# Altium PCB GN-1866-A-V2.PCBDOC (part 3 of 5)
Units mil, origin at the board's own origin, x right, y up, seen from the top; angles counter-clockwise.
Board outline 2475 x 2671.81 mil, 6 copper layers (TOP, ART02, ART03, ART04, ART05, BOTTOM), stack 47.2 mil thick; 347 components, 311 nets, 1697 pads, 1562 vias.
Unrouted connection lines stored in the file: 4.
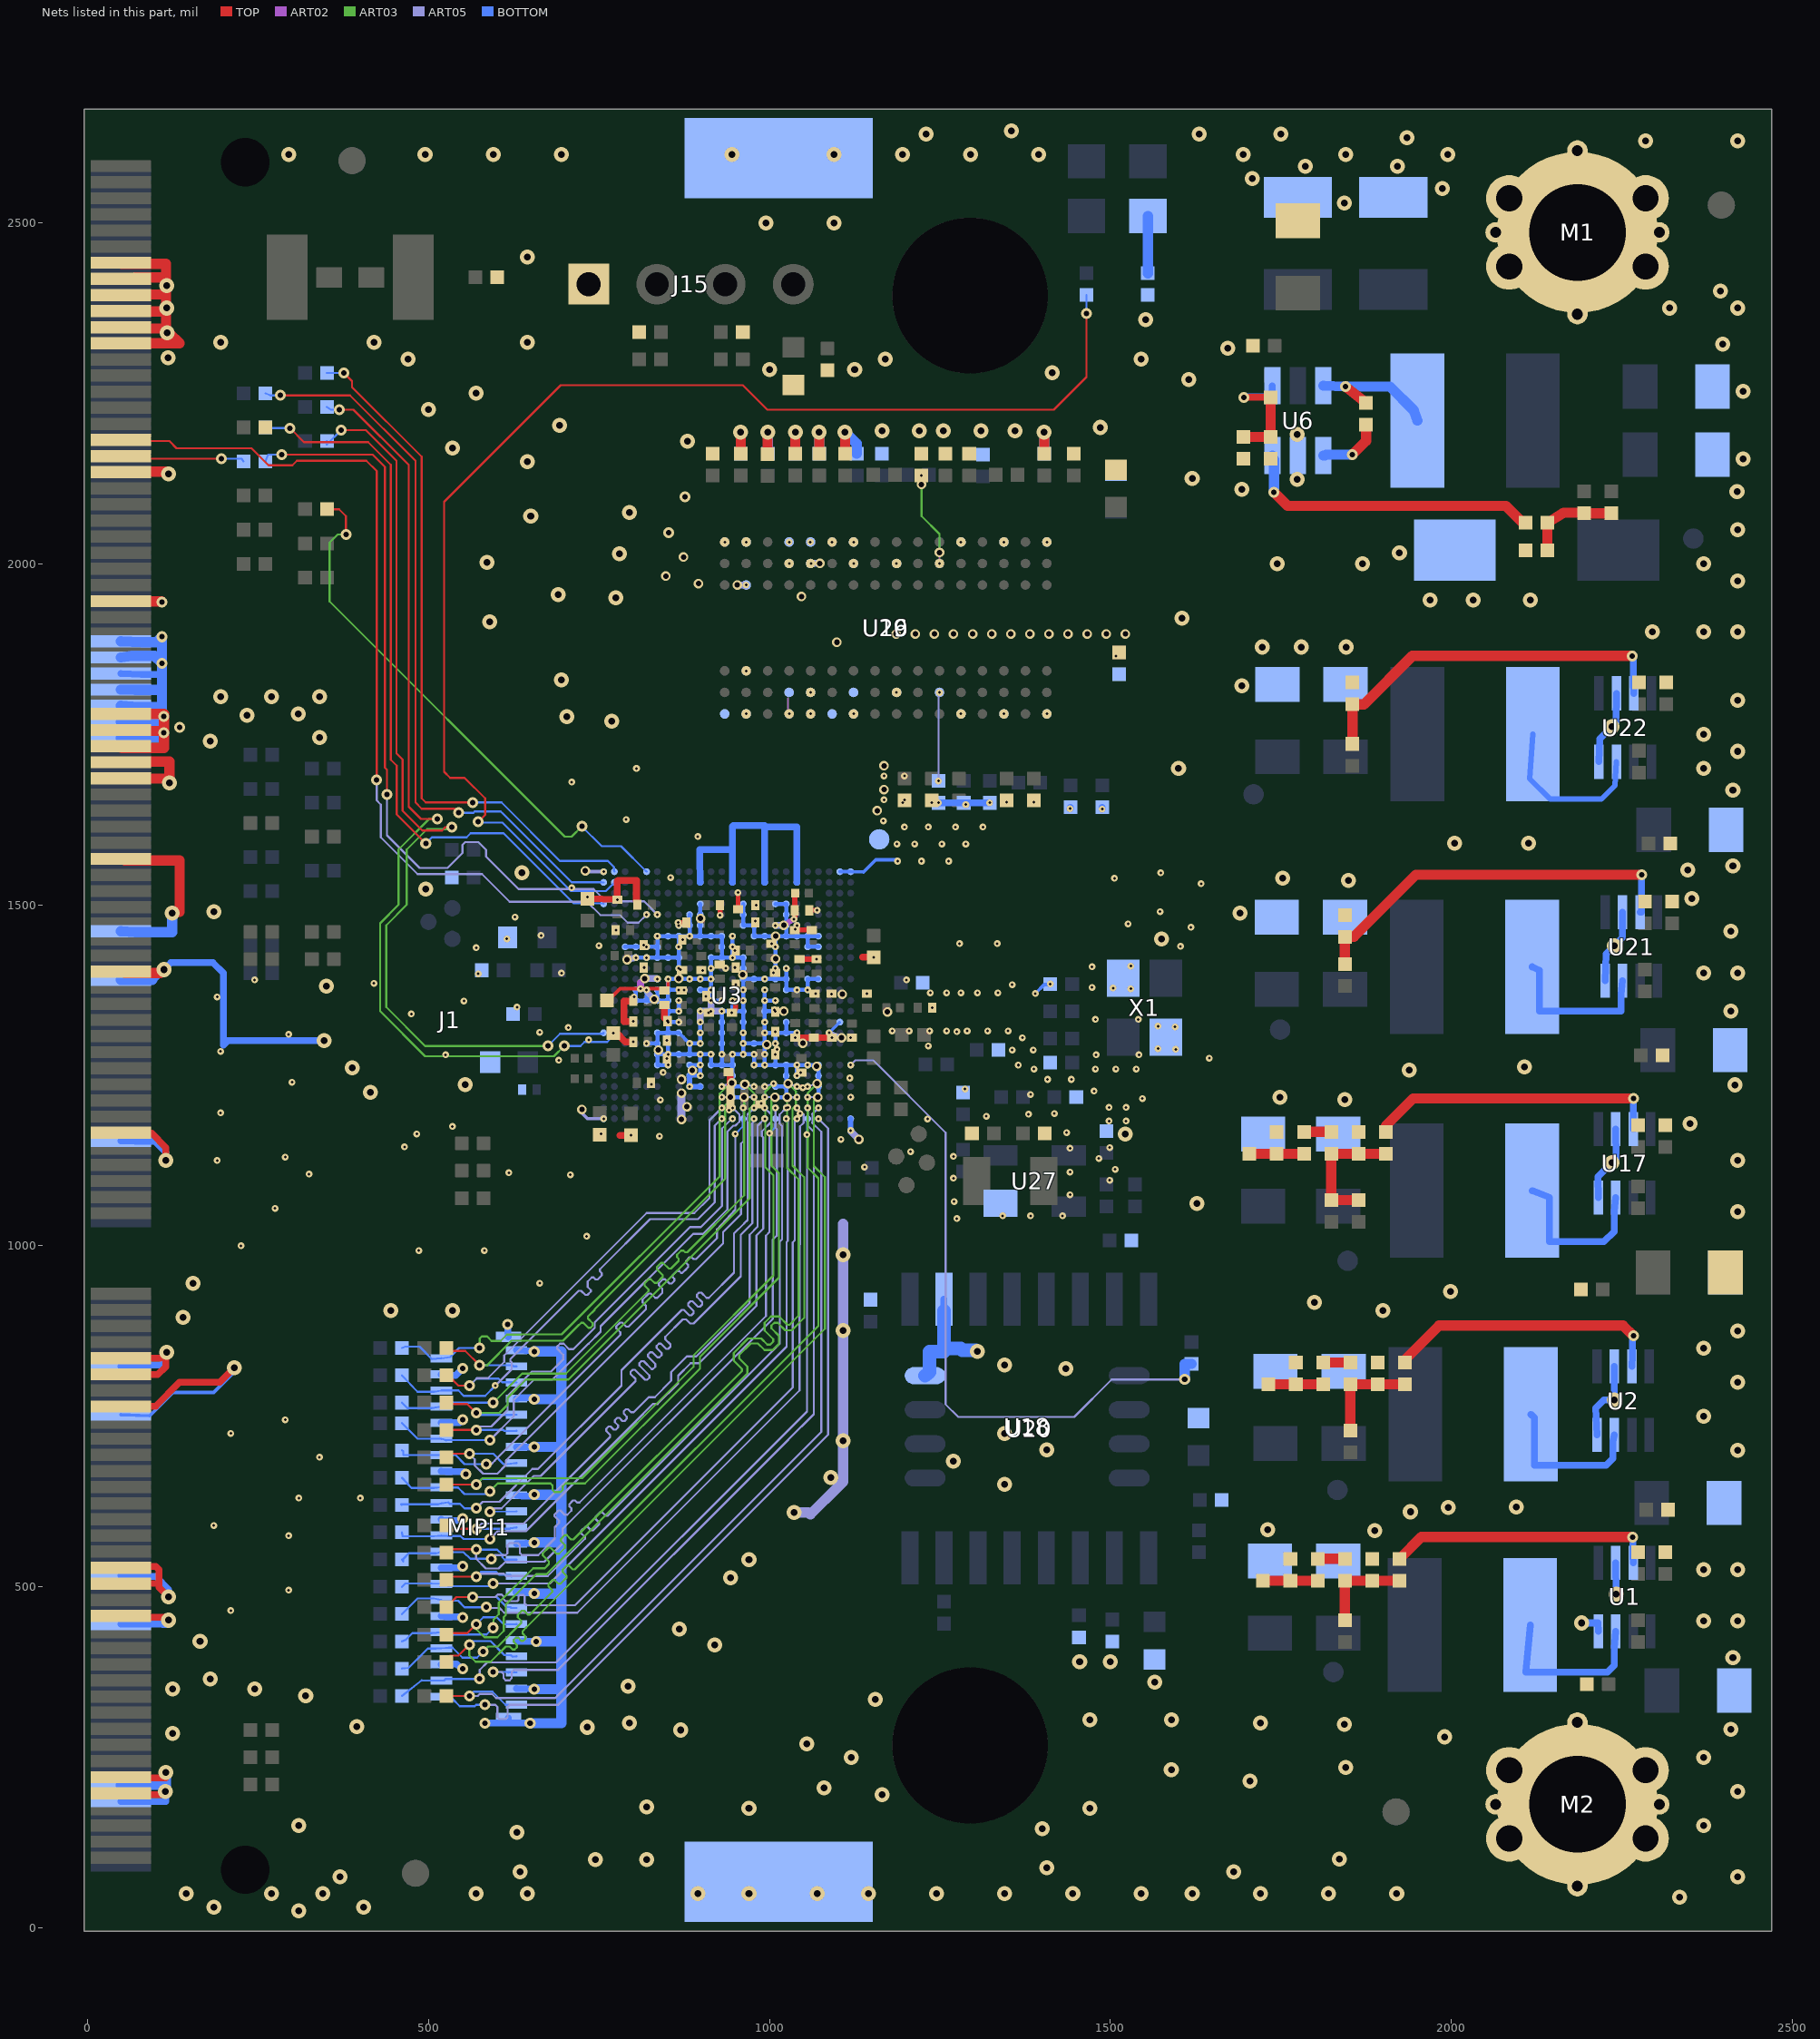
[diagram p7: the nets of this part, all layers, seen from the top]

## Via types
v1: diameter 10, hole 4, ART05 to BOTTOM, 456 vias
v2: diameter 22, hole 10, TOP to BOTTOM, 315 vias
v3: diameter 10, hole 4, TOP to ART02, 297 vias
v4: diameter 16, hole 8, TOP to BOTTOM, 255 vias
v5: diameter 14, hole 8, ART02 to ART05, 238 vias
v6: diameter 10, hole 4, ART02 to ART05, 1 vias

## Nets (pads, with @x,y where several pads share a name; then routed paths per layer and width w, separated by ;. In a path a pad name is that pad's centre, name@x,y a point inside that pad or via, vN(x,y) a via of type N, cw(c..) or ccw(c..) an arc to the next point about the centre after c; other vN are vias at no path point) (continued)
GND: C1.2 C2.2 C3.2 C4.2 C5.2 C6.2 C7.2 C8.2 C9.2 C10.2 C12.2 C13.2 C14.2 C15.2 C16.2 C17.2 C18.2 C19.2 C20.2 C21.1 C22.2 C23.2 C24.2 C25.2 C26.2 C27.2 C28.1 C29.2 C30.2 C31.2 C32.2 C33.2 C34.2 C35.2 C36.2 C37.2 C38.2 C39.2 C40.2 C41.2 C42.2 C43.2 C44.2 C45.2 C46.2 C47.2 C48.2 C49.2 C50.2 C51.1 C55.2 C57.2 C58.2 C59.2 C66.2 C67.2 C68.2 C69.2 C70.2 C71.2 C72.2 C74.2 C75.2 C76.2 C78.2 C79.2 C82.2 C104.2 C137.2 C138.2 C139.2 C144.2 C145.2 C146.2 C147.2 C148.2 C149.2 C150.2 C151.2 C153.2 C154.2 C155.2 C156.2 C157.2 C158.2 C159.2 C160.2 C161.2 C162.2 C163.2 C164.2 C165.2 C166.2 C167.2 C168.2 C169.2 C170.2 C171.2 C174.2 C175.2 C183.2 C184.2 C197.2 C198.2 C199.2 C201.2 C202.2 C212.2 C219.2 C220.2 C229.2 C231.2 C279.2 C306.2 C307.2 C308.2 C309.2 C310.2 C311.2 C312.2 C313.2 C314.2 C326.2 C333.2 C340.2 C341.2 C343.2 C344.2 C345.2 C346.2 C347.2 C348.2 C349.2 C350.2 C351.2 C448.2 C480.2 J1.9 J1.10 J1.11 J1.12 J1.31 J1.32 J1.36 J1.37 J1.38 J1.57 J1.58 J1.62 J1.63 J1.64 J1.83 J1.84 J1.103 J1.104 J1.109 J1.118 J1.128 J1.130 J1.132 J1.133 J1.134 J1.135 J1.136 J1.137 J1.139 J1.141 J1.143 J1.145 J1.150 J1.166 J1.182 J1.184 J1.186 J1.188 J1.190 J1.192 J1.207 J1.208 J15.1 M1.1 M1.2 M1.3 M1.4 M1.5 M1.6 M1.7 M1.8 M1.9 M2.1 M2.2 M2.3 M2.4 M2.5 M2.6 M2.7 M2.8 M2.9 MIPI1.3 MIPI1.6 MIPI1.9 MIPI1.12 MIPI1.15 MIPI1.18 MIPI1.21 MIPI1.24 MIPI1.27 MIPI1.30 MIPI1.33 MIPI1.36 MIPI1.39 MIPI1.42 MIPI1.45 MIPI1.46 MIPI1.47 R1.2 R5.1 R6.1 R8.1 R9.1 R13.2 R38.2 R47.2 R49.2 R60.2 R61.2 R64.2 R77.2 R85.2 R89.2 R91.1 R100.2 R108.1 R136.2 R139.1 R140.1 R163.2 R164.1 R183.1 R187.1 R213.2 R216.1 R241.2 R261.2 U1.4 U1.6 U2.4 U2.6 U3.A1 U3.A2 U3.A24 U3.AA4 U3.AA7 U3.AA8 U3.AA11 U3.AA12 U3.AA15 U3.AA16 U3.AB4 U3.AB7 U3.AB8 U3.AB11 U3.AB12 U3.AD1 U3.AD24 U3.B6 U3.B9 U3.B12 U3.B15 U3.D7 U3.D8 U3.D11 U3.D15 U3.E7 U3.E11 U3.E15 U3.E16 U3.F6 U3.F7 U3.F10 U3.F11 U3.F15 U3.F16 U3.F17 U3.G4 U3.G5 U3.G6 U3.G7 U3.G8 U3.G9 U3.G10 U3.G12 U3.G13 U3.G14 U3.G15 U3.G16 U3.G17 U3.G18 U3.G19 U3.H4 U3.H5 U3.H8 U3.H12 U3.H13 U3.H17 U3.H19 U3.H20 U3.H21 U3.H22 U3.J8 U3.J11 U3.J12 U3.J13 U3.J14 U3.J17 U3.J18 U3.J19 U3.J20 U3.J21 U3.K7 U3.K8 U3.K11 U3.K14 U3.K17 U3.L4 U3.L5 U3.L7 U3.L8 U3.L9 U3.L10 U3.L11 U3.L14 U3.L15 U3.L16 U3.L17 U3.L18 U3.M5 U3.M6 U3.M7 U3.M9 U3.M11 U3.M14 U3.M15 U3.M17 U3.M18 U3.M19 U3.M20 U3.M21 U3.N8 U3.N9 U3.N11 U3.N12 U3.N13 U3.N14 U3.N17 U3.N18 U3.N19 U3.N20 U3.N21 U3.P8 U3.P9 U3.P11 U3.P12 U3.P13 U3.P14 U3.P15 U3.P17 U3.P18 U3.R2 U3.R7 U3.R9 U3.R11 U3.R13 U3.R15 U3.R17 U3.R18 U3.T3 U3.T6 U3.T7 U3.T8 U3.T9 U3.T11 U3.T13 U3.T15 U3.T17 U3.T18 U3.T19 U3.U8 U3.U9 U3.U10 U3.U11 U3.U13 U3.U15 U3.U16 U3.U18 U3.U19 U3.U20 U3.V8 U3.V9 U3.V10 U3.V11 U3.V12 U3.V13 U3.V14 U3.V15 U3.V16 U3.V17 U3.V18 U3.V19 U3.W4 U3.W5 U3.W6 U3.W7 U3.W8 U3.W9 U3.W10 U3.W12 U3.W13 U3.W14 U3.W15 U3.W16 U3.W18 U3.W19 U3.Y4 U3.Y6 U3.Y7 U3.Y12 U3.Y15 U3.Y16 U6.2 U17.4 U17.6 U18.4 U19.A9 U19.B1 U19.B3 U19.B9 U19.D1 U19.D8 U19.E1 U19.E2 U19.E8 U19.F9 U19.G1 U19.G8 U19.G9 U19.J2 U19.J8 U19.M1 U19.M9 U19.P1 U19.P9 U19.T1 U19.T9 U20.10 U21.4 U21.6 U22.4 U22.6 U26.A9 U26.B1 U26.B3 U26.B9 U26.D1 U26.D8 U26.E1 U26.E2 U26.E8 U26.F9 U26.G1 U26.G8 U26.G9 U26.J2 U26.J8 U26.M1 U26.M9 U26.P1 U26.P9 U26.T1 U26.T9 U27.1 X1.2 X1.4 | length 11306.2
  TOP w7: v3(866.22,1474) C155.2@878.5,1474 ; v3(927.58,1484.82) C351.2@927.58,1499.59 ; v3(945,1341.5) 950.5,1347 v3(950.5,1357.99) ; C39.2@954,1493.5 v3(954,1518) ; C57.2@1058.5,1492 v3(1069.89,1492.05) ; C150.2@1062.08,1463.09 C144.2@1038.91,1463.09 ; C144.2@1038.91,1463.09 v3(1038,1464) C144.2@1037.08,1463.09 1038,1463.09 C144.2@1038.91,1463.09
  TOP w8: C151.2@1044.08,1420.09 v3(1069.08,1420.09) ; v3@1048,1233 v3(1049,1232)
  TOP w10: J1.10@49,197.3 80,195 114,195 v2(114,200) ; J1.12@49,220.92 70,220 115,220 v2(115,228) ; J1.32@49,457.14 80,455 115,455 v2(119,451) ; J1.36@49,504.39 105,505 ; J1.38@49,528.01 85,530 100,530 105,525 105,505 ; J1.58@49,764.23 100,765 135,800 194,800 v2(215,821) ; J1.62@49,811.47 103,811 114.5,822.5 v2@114.5,842.5 ; J1.64@49,835.09 75,835 107,835 v2@114.5,842.5 ; J1.84@49,1165.8 91.01,1165.2 93.97,1165.2 115,1144.17 v2(115,1125) ; v2(116,844) v2@114.5,842.5 ; v2(119,485) 105,499 105,505 ; C17.2@733.38,1509.03 v3(777,1507.5) 777.05,1508.93 777.05,1535.05 778,1536 805,1536 805,1506 C312.2@806.5,1500 ; R136.2@751.38,1163.03 v3(753,1164) ; v3(771,1312) 776,1312 789,1299 v3(800.5,1299) ; 780.98,1162 v3(797,1162) ; v3(800.5,1329) 787,1329 787,1359 C55.2@800.5,1359 ; C309.2@846.08,1353.09 846.08,1334.09 v3(850.58,1329.59) ; C31.2@940,1254.5 942.13,1252.37 942.13,1231.92 C308.2@942.5,1228 C307.2@942.5,1207 ; v3(1038,1305.5) 1042,1305 C146.2@1065,1305.5 1087,1305 v3(1091.88,1305.09) ; 1136.98,1423 v3(1153,1423)
  TOP w15: J1.104@49,1402.02 55,1400 107,1400 v2(112,1405) ; J1.118@49,1567.38 55,1565 135,1565 135,1490 126,1490 v2(124,1488) ; J1.128@49,1685.49 85,1685 v2@120,1685 ; J1.130@49,1709.11 90,1710 120,1710 v2@120,1685 ; J1.132@49,1732.73 50,1730 112,1730 v4(112,1752) ; J1.134@49,1756.35 75,1755 109,1755 v4(112,1752) ; J1.136@49,1779.98 70,1780 112,1780 v4(112,1776) v4(112,1752) ; J1.150@49,1945.33 85,1945 108,1945 v4(109,1944) ; J1.166@49,2134.31 90,2135 116,2135 v2(119,2132) ; J1.182@49,2323.28 55.04,2323.44 117,2323.44 135,2323.44 120,2338.44 117,2338.44 115,2338.44 115,2339 v2@115,2345 ; J1.184@49,2346.91 55,2345 v2@115,2345 ; J1.186@49,2370.53 55,2370 v2@115,2370 ; J1.188@49,2394.15 60,2395 115,2395 ; J1.190@49,2417.77 70,2420 115,2420 ; J1.192@49,2441.39 50,2440 115,2440 115,2420 ; v2(120,1679) v2@120,1685 ; C34.2@958,2161.5 v2(958,2193.3) ; C25.2@997.38,2161.03 v2(997.38,2192.83) ; C171.2@1038,2161.5 v2(1038,2193.3) ; C158.2@1073,2161.5 v2(1073,2193.3) ; C24.2@1110.98,2161.5 v2(1110.98,2193.3) ; C159.2@1403,2161.5 v2(1403,2193.3) ; v2@115,2345 v2@115,2370 ; v2@115,2370 115,2375 115,2395 ; 115,2395 115,2408 115,2420
  ART02 w3: v3(1007.5,1346) 1019,1346 v5(1021,1344) ; 1027.3,1802.8 1027.3,1781.64 v3(1028.95,1779.99)
  ART05 w5: v5(725,1200) 725,1194.39 733,1186.39 v1(756.88,1186.39) ; v5(730,1550) 730,1548.59 v1(756.88,1548.59)
  ART05 w8: v1(819.87,1375.36) 819.87,1372.84 v5(831.08,1361.63) ; v1(1087.59,1312.37) v5(1106,1305)
  ART05 w10: v5(791.08,1419.63) v1(804.12,1422.61) ; v1(898.61,1328.12) v1(898.61,1343.87) v1(914.36,1343.87) ; v1(914.36,1359.62) v1(914.36,1343.87) ; v1(930.11,1343.87) v1(914.36,1343.87) ; v5(952.88,1968.96) v1(965.96,1968.96) ; v1@1061.04,2000.46 1061.1,2000.46 v5(1074.08,2000.46) ; v1(1119.08,1169) 1119.08,1168.07 v5(1131.08,1156.07)
  ART05 w12: v5(871,1185.39) 871,1204 v5(871,1224)
  ART05 w15: v2(1036,609) 1057,609 1060,606 1102,648 1108,654 1108,660 v2(1108,714) v2(1108,876) v2(1108,987) 1108,1032
  BOTTOM w4: v1(1087.59,1312.37) U3.R2@1103.33,1328.12
  BOTTOM w5: J1.57@49,752.42 90.98,750.61 105,764.62 105,765 125,785 185,785 215,815 v2(215,821) ; U3.T17@867.11,1312.37 v1(882.86,1296.62) ; U3.A2@1103.33,1548.59 U3.A1@1119.08,1548.59 1138,1548 1156,1566 1186,1566 v1(1188,1564) ; v1(1390,1370) 1403.18,1383.18 1410.71,1383.18 v1(1412,1384)
  BOTTOM w6: U3.H22@788.37,1438.36 U3.H21@804.12,1438.36 v1(819.87,1438.36) U3.H19@835.62,1438.36 ; U3.M21@804.12,1375.36 U3.N21@804.12,1359.62 U3.N20@819.87,1359.62 ; v1(804.12,1422.61) v1(819.87,1422.61) U3.J19@835.62,1422.61 ; v1(819.87,1296.62) U3.U19@835.62,1296.62 ; v1(819.87,1375.36) U3.N20@819.87,1359.62 ; U3.M19@835.62,1375.36 U3.N19@835.62,1359.62 ; v1(851.37,1265.13) U3.W19@835.62,1265.13 U3.V19@835.62,1280.88 ; U3.U18@851.37,1296.62 v1(851.37,1280.88) ; U3.T17@867.11,1312.37 U3.T18@851.37,1312.37 ; v1(867.11,1328.12) v1(851.37,1328.12) ; v1(867.11,1359.62) v1(867.11,1343.87) U3.P18@851.37,1343.87 ; v1(867.11,1375.36) U3.M18@851.37,1375.36 ; v1(867.11,1469.85) U3.F16@882.86,1469.85 ; U3.Y16@882.86,1249.38 883,1249.38 v1(898.61,1249.38) v1(898.61,1265.13) ; U3.W16@882.86,1265.13 v1(898.61,1265.13) ; U3.E16@882.86,1485.6 U3.F16@882.86,1469.85 ; U3.M15@898.61,1375.36 v1(914.36,1375.36) ; U3.D15@898.61,1501.35 U3.E15@898.61,1485.6 U3.F15@898.61,1469.85 U3.G15@898.61,1454.1 ; v1(930.11,1359.62) v1(914.36,1359.62) ; v1(945.85,1359.62) U3.P12@945.85,1343.87 ; v1(945.85,1454.1) v1(945.85,1438.36) v1(945.85,1422.61) ; U3.AB11@961.6,1217.88 U3.AB12@945.85,1217.88 U3.AA12@945.85,1233.63 ; U3.AA11@961.6,1233.63 U3.AA12@945.85,1233.63 ; U3.D11@961.6,1501.35 U3.E11@961.6,1485.6 U3.F11@961.6,1469.85 U3.F10@977.35,1469.85 U3.G10@977.35,1454.1 U3.G9@993.1,1454.1 U3.G8@1008.85,1454.1 ; v1(993.1,1375.36) v1(993.1,1359.62) ; U3.AB8@1008.85,1217.88 U3.AB7@1024.59,1217.88 U3.AA7@1024.59,1233.63 ; U3.AA8@1008.85,1233.63 U3.AA7@1024.59,1233.63 ; v1(1008.85,1280.88) U3.W8@1008.85,1265.13 ; v1(1008.85,1296.62) U3.T8@1008.85,1312.37 ; v1(1008.85,1343.87) U3.P9@993.1,1343.87 ; v1(1008.85,1359.62) v1(993.1,1359.62) ; U3.D8@1008.85,1501.35 U3.D7@1024.59,1501.35 U3.E7@1024.59,1485.6 U3.F7@1024.59,1469.85 U3.G7@1024.59,1454.1 ; U3.R7@1024.59,1328.12 U3.T7@1024.59,1312.37 ; v1(1024.59,1406.86) U3.L7@1024.59,1391.11 ; v1(1040.34,1249.38) v1(1040.34,1265.13) ; v1(1040.34,1312.37) U3.T7@1024.59,1312.37 ; v1(1040.34,1469.85) U3.G6@1040.34,1454.1 ; U3.AB4@1071.84,1217.88 U3.AA4@1071.84,1233.63 U3.Y4@1071.84,1249.38 U3.W4@1071.84,1265.13 v1(1056.09,1265.13) v1(1040.34,1265.13) ; U3.L4@1071.84,1391.11 U3.L5@1056.09,1391.11 v1(1056.09,1375.36) v1(1040.34,1375.36) U3.M7@1024.59,1375.36 U3.L7@1024.59,1391.11 ; U3.H4@1071.84,1438.36 U3.H5@1056.09,1438.36 U3.G5@1056.09,1454.1 ; U3.G4@1071.84,1454.1 U3.G5@1056.09,1454.1 ; U3.N20@819.87,1359.62 U3.N19@835.62,1359.62 ; U3.V19@835.62,1280.88 U3.U19@835.62,1296.62 ; U3.V19@835.62,1280.88 v1(851.37,1280.88) ; U3.U19@835.62,1296.62 U3.T19@835.62,1312.37 U3.T18@851.37,1312.37 ; U3.N19@835.62,1359.62 U3.N18@851.37,1359.62 ; U3.J19@835.62,1422.61 U3.J18@851.37,1422.61 U3.J17@867.11,1422.61 ; U3.J19@835.62,1422.61 U3.H19@835.62,1438.36 ; U3.H19@835.62,1438.36 v1(835.62,1454.1) U3.G18@851.37,1454.1 U3.G17@867.11,1454.1 ; v1(851.37,1280.88) U3.V17@867.11,1280.88 U3.V16@882.86,1280.88 ; U3.T18@851.37,1312.37 v1(851.37,1328.12) ; v1(851.37,1328.12) U3.P18@851.37,1343.87 ; U3.P18@851.37,1343.87 U3.N18@851.37,1359.62 ; U3.N18@851.37,1359.62 U3.M18@851.37,1375.36 ; U3.M18@851.37,1375.36 v1(851.37,1391.11) U3.L17@867.11,1391.11 ; U3.L17@867.11,1391.11 v1(882.86,1391.11) v1(898.61,1391.11) v1(914.36,1391.11) ; U3.L17@867.11,1391.11 v1(867.11,1406.86) U3.J17@867.11,1422.61 ; U3.J17@867.11,1422.61 v1(867.11,1438.36) U3.G17@867.11,1454.1 ; U3.G17@867.11,1454.1 v1(882.86,1454.1) ; U3.V16@882.86,1280.88 v1(882.86,1296.62) v1(898.61,1296.62) v1(898.61,1312.37) v1(898.61,1328.12) v1(898.61,1343.87) v1(914.36,1343.87) ; U3.V16@882.86,1280.88 v1(898.61,1280.88) ; v1(882.86,1454.1) U3.F16@882.86,1469.85 ; v1(882.86,1454.1) U3.G15@898.61,1454.1 ; v1(898.61,1265.13) v1(898.61,1280.88) ; v1(898.61,1280.88) v1(914.36,1280.88) U3.W14@914.36,1265.13 U3.W13@930.11,1265.13 ; U3.G15@898.61,1454.1 U3.G14@914.36,1454.1 U3.G13@930.11,1454.1 U3.H13@930.11,1438.36 U3.J13@930.11,1422.61 ; v1(914.36,1343.87) v1(914.36,1359.62) ; v1(914.36,1343.87) v1(930.11,1343.87) ; v1(914.36,1359.62) v1(914.36,1375.36) ; v1(914.36,1375.36) v1(914.36,1391.11) ; v1(914.36,1391.11) v1(914.36,1406.86) U3.J14@914.36,1422.61 U3.J13@930.11,1422.61 ; U3.W13@930.11,1265.13 v1(930.11,1280.88) U3.U13@930.11,1296.62 U3.T13@930.11,1312.37 U3.R13@930.11,1328.12 v1(930.11,1343.87) ; U3.W13@930.11,1265.13 U3.W12@945.85,1265.13 ; v1(930.11,1343.87) U3.P12@945.85,1343.87 ; U3.J13@930.11,1422.61 v1(945.85,1422.61) ; U3.AA12@945.85,1233.63 U3.Y12@945.85,1249.38 U3.W12@945.85,1265.13 ; U3.W12@945.85,1265.13 v1(945.85,1280.88) v1(961.6,1280.88) ; U3.P12@945.85,1343.87 U3.P11@961.6,1343.87 ; v1(945.85,1422.61) U3.J11@961.6,1422.61 U3.K11@961.6,1406.86 U3.L11@961.6,1391.11 ; v1(961.6,1280.88) v1(961.6,1296.62) ; v1(961.6,1280.88) v1(977.35,1280.88) v1(977.35,1265.13) v1(993.1,1265.13) ; v1(961.6,1296.62) U3.U10@977.35,1296.62 U3.U9@993.1,1296.62 ; v1(961.6,1296.62) v1(961.6,1312.37) U3.R11@961.6,1328.12 U3.P11@961.6,1343.87 ; U3.P11@961.6,1343.87 v1(961.6,1359.62) v1(961.6,1375.36) U3.L11@961.6,1391.11 ; U3.L11@961.6,1391.11 U3.L10@977.35,1391.11 v1(993.1,1391.11) U3.L8@1008.85,1391.11 ; v1(993.1,1265.13) U3.W8@1008.85,1265.13 ; v1(993.1,1265.13) v1(993.1,1280.88) U3.U9@993.1,1296.62 ; U3.U9@993.1,1296.62 v1(993.1,1312.37) ; v1(993.1,1312.37) v1(993.1,1328.12) U3.P9@993.1,1343.87 ; v1(993.1,1312.37) U3.T8@1008.85,1312.37 ; U3.P9@993.1,1343.87 v1(993.1,1359.62) ; U3.W8@1008.85,1265.13 U3.W7@1024.59,1265.13 ; U3.T8@1008.85,1312.37 U3.T7@1024.59,1312.37 ; U3.L8@1008.85,1391.11 v1(1008.85,1406.86) U3.J8@1008.85,1422.61 v1(1008.85,1438.36) U3.G8@1008.85,1454.1 ; U3.L8@1008.85,1391.11 U3.L7@1024.59,1391.11 ; U3.G8@1008.85,1454.1 U3.G7@1024.59,1454.1 ; U3.AA7@1024.59,1233.63 U3.Y7@1024.59,1249.38 U3.W7@1024.59,1265.13 ; U3.W7@1024.59,1265.13 v1(1040.34,1265.13) ; U3.G7@1024.59,1454.1 U3.G6@1040.34,1454.1 ; U3.G6@1040.34,1454.1 U3.G5@1056.09,1454.1
  BOTTOM w8: U3.Y16@883,1249.38 v1(882.86,1233.63) U3.AA15@898.61,1233.63 ; v1(1119.08,1169) U3.AD1@1119.08,1186.39
  BOTTOM w10: J1.9@49,185.49 115,185 115,199 v2(114,200) ; J1.31@49,445.33 110,445 119,445 v2(119,451) ; J1.37@49,516.2 70,515 100,515 119,496 v2(119,485) ; J1.63@49,823.28 60,825 110,825 110,838 v2(116,844) ; J1.83@49,1153.99 70.05,1153.17 98.83,1153.17 115,1137 v2(115,1125) ; J1.141@49,1839.03 79.03,1837.51 108,1837.51 ; 95,1390.03 97.03,1390.03 v2(112,1405) 122,1415 184,1415 199,1400 199,1294 206,1301 v2(347,1301) ; 109,1836 108,1837 108,1837.51 ; 109,1837.51 108,1837.51 ; MIPI1.6@518.88,386.21 535,387 541.46,387 548.46,380 v4(550,380) ; MIPI1.12@518.88,457.08 526,456 547,456 v4(550,455) ; MIPI1.18@518.88,527.94 529,528 548,528 v4(550,530) ; MIPI1.24@518.88,598.81 520,597 550,597 v4(550,600) ; MIPI1.30@518.88,669.68 526,669 551,669 v4(555,665) ; MIPI1.36@518.88,740.54 529,741 546,741 v4(550,745) ; MIPI1.42@518.88,811.41 529,810 540,810 v4(550,820) ; v4(583,300) MIPI1.46@616,300 ; v4(616,885) MIPI1.47@617.31,866.53 ; MIPI1.46@617.31,307.47 MIPI1.46@616,300 ; MIPI1.3@629.12,350.78 v4(655,350) ; MIPI1.9@629.12,421.65 630.76,420 v4(658,420) ; MIPI1.21@629.12,563.38 643,564 654,564 v4(655,565) ; MIPI1.27@629.12,634.24 637,633 653,633 v4(655,635) ; MIPI1.33@629.12,705.11 634,705 v4(655,705) ; MIPI1.39@629.12,775.98 634,777 653,777 v4(655,775) ; MIPI1.45@629.12,846.84 652,846 v4(655,845) ; v4(649,300) 617.31,300 MIPI1.46@616,300 ; U3.B15@898.61,1532.84 898,1569 898,1581 946,1581 ; U3.B12@945.85,1532.84 946,1581 ; U3.B9@993.1,1532.84 993,1534 993,1614 ; U3.B6@1040.34,1532.84 1040,1534 1040,1614 993,1614 ; v1(1248,1649.5) C161.2@1285,1649.5 ; U20.10@1255.78,904.99 U20.10@1256,921.47 ; v1(1288,1647) C161.2@1285,1649.5 ; v1(1323,1649.5) 1288,1649.5 C161.2@1285,1649.5 ; v1(1488,1640.5) C8.2@1488,1643 ; v2(2191,447) 2215,447 U1.4@2215.61,434.72 ; U2.4@2213.61,722.72 2212,762 2224,774 v2(2239,774) U2.6@2239.2,823.12 ; U17.4@2215.61,1070.72 2215,1101 v2(2236,1122) 2242,1128 U17.6@2241.2,1171.12 ; U22.4@2216.61,1709.72 2218,1743 v2(2236,1761) 2242,1767 U22.6@2242.2,1810.12 ; U21.4@2225.61,1388.72 2227,1428 v2(2239,1440) 2251,1452 U21.6@2251.2,1489.12 ; U1.6@2241.2,535.12 v2(2242,489) ; 946,1581 946,1615 947,1616 993,1616 993,1614 ; v1(1441,1641) C165.2@1441.38,1643.03 1441.38,1641 v1(1441,1641)
  BOTTOM w12: MIPI1.15@629.12,492.51 640,492 653,492 v4(655,490)
  BOTTOM w15: J1.11@49,209.11 80,210 114,210 v2@114,205 ; J1.103@49,1390.21 80,1390.03 95,1390.03 ; J1.109@49,1461.08 70,1460 124,1460 v2(124,1488) ; J1.133@49,1744.54 80,1745 105,1745 v4(112,1752) 109,1755 v4@109,1770 ; J1.135@49,1768.17 80,1770 v4@109,1770 ; J1.137@49,1791.79 75,1790 109,1790 ; J1.139@49,1815.41 70,1815 109,1815 ; J1.143@49,1862.65 65,1865 98,1865 v4(109,1854) ; J1.145@49,1886.28 80,1885 101,1885 v4@107.5,1891.5 ; 109,1836 109,1815 ; 109,1837.51 v4(109,1854) ; v4(109,1893) v4@107.5,1891.5 ; v2(114,200) v2@114,205 ; v2(115,228) 115,206 v2@114,205 ; v4(649,300) 695,300 695,350 ; v4(655,350) 695,350 ; v4(655,490) 695,490 ; v4(655,565) 695,565 ; v4(655,635) 695,635 ; v4(655,705) 695,705 ; v4(655,775) 690,775 695,770 ; v4(655,845) 695,845 695,770 ; v4(658,420) 695,420 ; C174.2@958,2161.5 v2(958,2193.3) ; v2(997.38,2192.83) 998,2192.21 C166.2@998,2161.5 ; C167.2@1038,2161.5 v2(1038,2193.3) ; C157.2@1073,2161.5 v2(1073,2193.3) ; v2(1110.98,2193.3) 1128,2176.28 C162.2@1128,2161.5 ; C169.2@1403,2161.5 v2(1403,2193.3) ; v4@107.5,1891.5 109,1890 v4(109,1854) ; v4@109,1770 109,1790 ; 109,1790 109,1815 ; 695,350 695,420 ; 695,420 695,490 ; 695,490 695,565 ; 695,565 695,635 ; 695,635 695,705 ; 695,705 695,770
  BOTTOM w20: U18.4@1228.39,809.61 1235,815 1235,845 1255.78,845 1255.78,849.22 ; U20.10@1255.78,904.99 1255.78,849.22 ; v2(1305,845) 1302.89,847.11 1282.89,847.11 1280.78,849.22 1255.78,849.22
  other v1: 663,945 486,993 582,993 732,1014 708,1104 618,1107 483,1164 1476,1227 1408,1244 1443,1244 1388,1259 1478,1259 1508,1259 1538,1259 1365,1264.96 1356,1287 1387,1287 1596,1288 1570,1289 1233,1293 1371,1305 1275,1314 1180,1315 1205,1315 1235,1315 1260,1315 1290,1315 1320,1315 1350,1315 1595,1321 1570,1322 552,1359 1236,1371 1260,1371 1281,1371 1305,1371 1335,1371 1530,1377 1504,1378 1473,1378.98 1356,1383 1473,1409.01 1530,1410 570,1437 1603,1439 1618,1467 1526,1472 627,1482 1573,1490 1633,1531 1506.03,1539.02 1574,1547.02 1223,1564 1263,1564 1187,1589 1213,1589 1253,1589 1288,1589 1198,1614 1233,1614 1273,1614 1313,1614 1167,1623 1168,1654 1198,1654 1168,1689 1198,1689 1280.94,1780.02 1343.9,1780.01 1406.94,1779.98 1061.1,2000.43 1186.45,2000.47 1123.44,2031.89 966,2031.91 1028.95,2031.95 1059.94,2031.95
  other v2: 310,25 185,30 405,30 2335,45 145,50 270,50 345,50 570,50 645,50 895,50 970,50 1070,50 1145,50 1245,50 1345,50 1445,50 1545,50 1620,50 1720,50 1820,50 1920,50 370,75 2420,75 634.09,81.95 1680.73,82.17 1406.7,88.26 745,100 820,100 1836.06,100.8 630,140 1400,145 310,150 2370,150 970,175 1470,175 820,177 1165,195 2420,200 1080.3,205.18 1705,215 1589.39,231.98 1845,235 1120,250 2370,250 1055,270 1990,280 125,285 870,290 2410,291 733,294 395,295 1843.36,298.1 795,300 1720,300 1470,305 1590,305 1155,335 320,340 125,350 245,350 793,354 1565,360 180,365 1455,390 1500,390 2413,396 920,415 165,420 868,438 2370,450 2420,450 943,513 2370,525 2420,525 970,540 1887.98,582.14 1730.5,583.69 1940,610 1995.81,616.27 2095.1,617.05 1345,650 1090,660 1270,684 2420,700 1407,701 1345,725 2370,750 2420,800 1435,820 1345,825 2370,850 2420,875 140,895 445,905 535,905 1900,905 1799,917 1999,933 155,945 2420,1050 1627,1062 2420,1125 1522,1164 2350,1179 1843.74,1214.65 1748.88,1217.62 415,1225 553.93,1236.15 2416,1236 1938.61,1257.64 388,1261 2107.1,1262.09 2410,1344 350,1381 2370,1400 2420,1400 1575,1450 2410,1461 1690,1488 185,1490 2353,1509 496,1523 1849,1536 1753,1539 637,1547 2347,1551 2413,1557 2005,1590 2113,1590 2413,1668 1600,1700 2370,1700 2420,1725 180,1740 340,1745 2370,1750 769,1769 703,1776 234,1778 309,1780 2420,1800 195,1805 270,1805 340,1805 1693,1821 695,1830 1723,1878 1780,1878 1846,1878 2295,1900 2370,1900 2420,1900 590,1915 1605,1920 1969,1947 2032,1947 2116,1947 775,1950 690,1955 2420,1975 1745,2000 1870,2000 2370,2000 586,2002 780,2015 1924,2016 2420,2050 650,2070 795,2075 2419,2106 1693,2109 1774,2124 1620,2125 645,2150 2428,2154 535,2170 880,2180 1774,2190 1165,2195 1220,2195 1255,2195 1310,2195 1360,2195 1485,2200 692,2203 500,2226 570,2250 2428,2253 1615,2270 1415,2280 1000,2285 1125,2285 470,2300 1170,2300 1545,2300 118,2302 1672,2316 2398,2322 195,2325 420,2325 645,2325 117,2339 1552,2358 116,2375 2320,2375 2420,2375 2395,2400 116,2408 645,2450 995,2500 1095,2500 1843,2529 1987,2550 1708,2565 1786,2583 1921,2583 295,2600 495,2600 595,2600 695,2600 945,2600 1095,2600 1195,2600 1295,2600 1395,2600 1695,2600 1845,2600 1995,2600 2285,2620 2420,2620 1935,2625 1230,2630 1630,2630 1750,2630 1355,2635